# Altium PCB waffling80-ALPS-north.PcbDoc (part 2 of 3)
Units mm, origin at the board's own origin, x right, y up, seen from the top; angles counter-clockwise.
Board outline 343.71 x 124.25 mm, 2 copper layers (Component Side, Bottom Layer), stack 1.171 mm thick; 238 components, 147 nets, 839 pads, 163 vias.
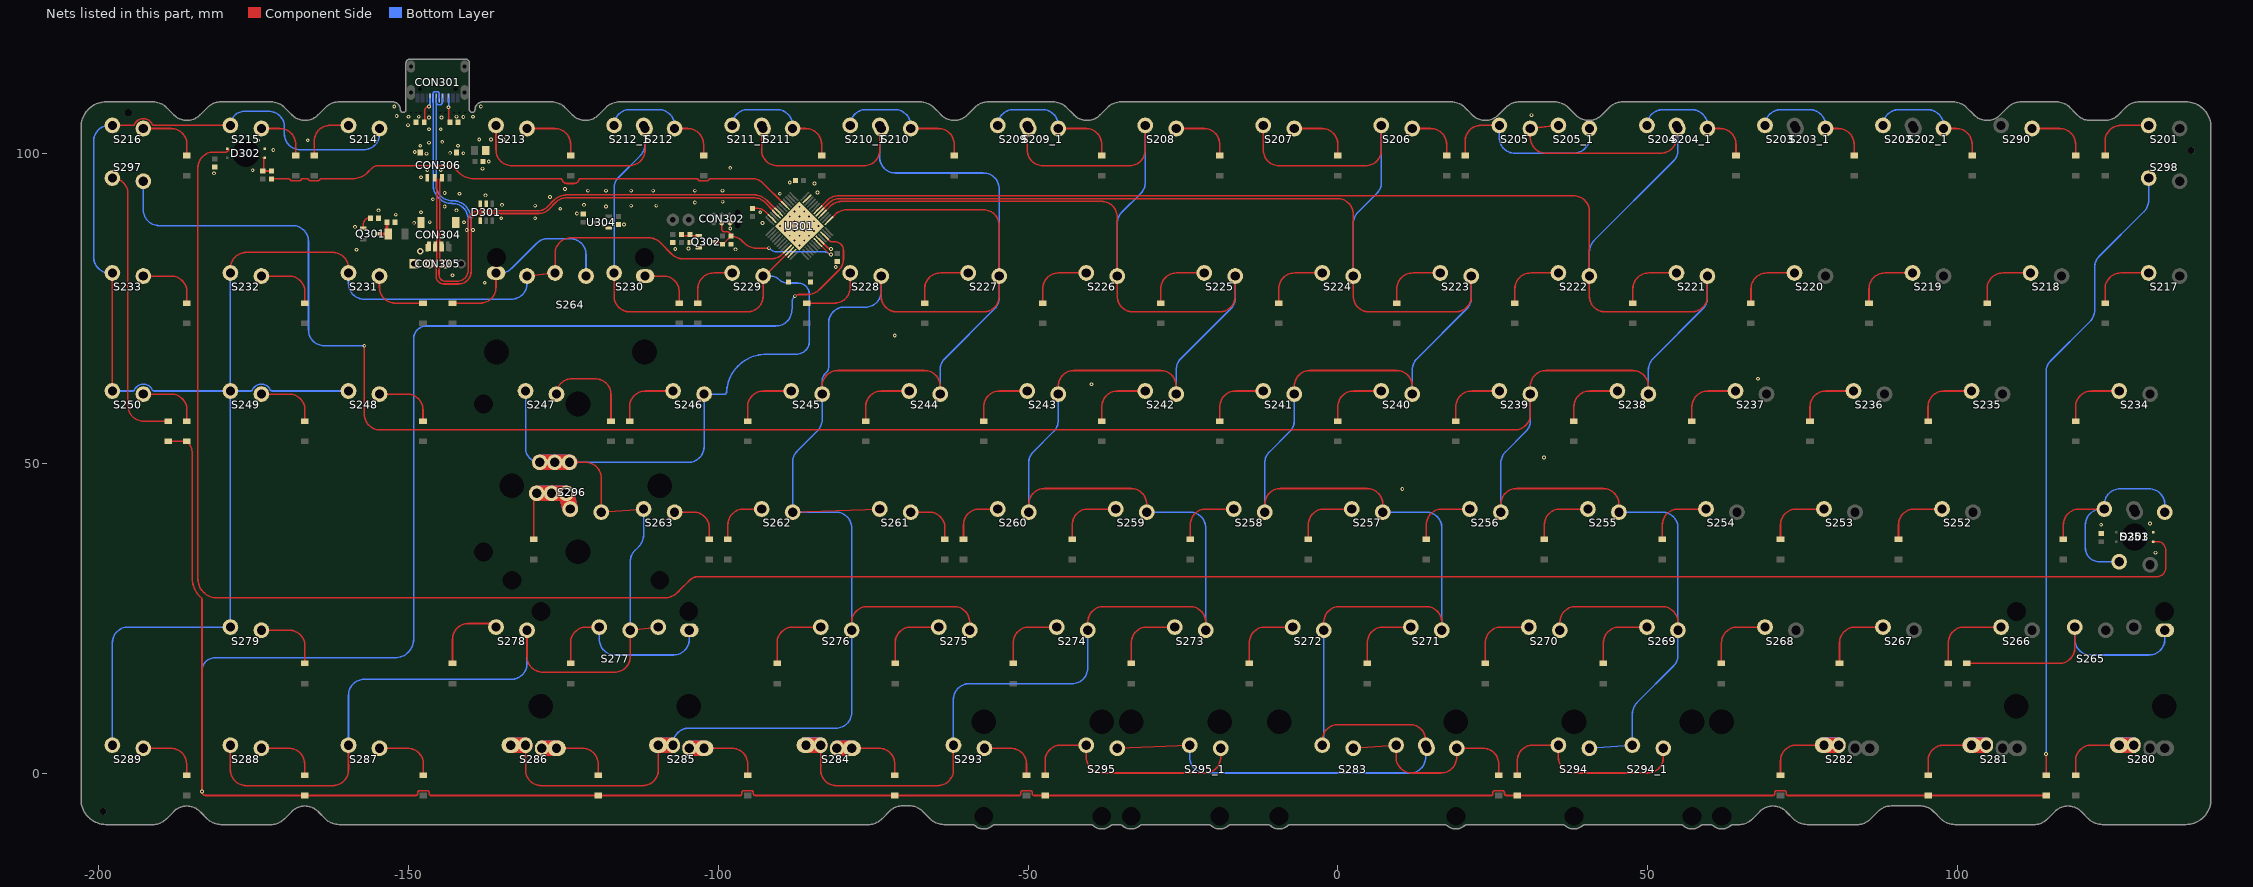
[diagram p2: the nets of this part, all layers, seen from the top]

## Via types
v1: diameter 0.6, hole 0.3, Component Side to Bottom Layer, tented both sides, 136 vias
v2: diameter 0.6, hole 0.3, Component Side to Bottom Layer, tented bottom, 25 vias
v3: diameter 1, hole 0.5, Component Side to Bottom Layer, tented both sides, 2 vias

## Nets (pads, with @x,y where several pads share a name; then routed paths per layer and width w, separated by ;. In a path a pad name is that pad's centre, name@x,y a point inside that pad or via, vN(x,y) a via of type N, cw(c..) or ccw(c..) an arc to the next point about the centre after c; other vN are vias at no path point) (continued)
col3: S204.2 S204_1.2 S205.2 S205_1.2 S221.2 S222.2 S238.2 S239.2 S255.2 S256.2 S269.2 S270.2 S294.1 S294_1.2 S297.2 U301.18 | length 658.9
  Component Side w0.254: v1(-157.099,68.961) -157.099,57.912 ccw(c-154.559,57.912) -154.559,55.372 28.534,55.372 ccw(c28.534,57.912) 31.074,57.912 S239.2@31.074,61.15 ; U301.18@-83.73,91.072 -82.392,92.41 cw(c-80.596,90.614) -80.596,93.154 38.059,93.154 cw(c38.059,90.614) 40.599,90.614 S222.2@40.599,80.2 40.599,76.962 ccw(c43.139,76.962) 43.139,74.422 57.109,74.422 ccw(c57.109,76.962) 59.649,76.962 S221.2@59.649,80.2 ; 26.312,43.37 cw(c28.852,43.37) 28.852,45.91 42.822,45.91 cw(c42.822,43.37) 45.362,43.37 ; 31.074,62.42 cw(c33.614,62.42) 33.614,64.96 47.584,64.96 cw(c47.584,62.42) 50.124,62.42 ; S205_1.2@35.599,104.513 S205.2@31.074,104.012 31.074,102.552 ccw(c33.614,102.552) 33.614,100.012 52.109,100.012 ccw(c52.109,102.552) 54.649,102.552 S204_1.2@54.649,104.513 ; 35.837,24.32 cw(c38.377,24.32) 38.377,26.86 52.347,26.86 cw(c52.347,24.32) 54.887,24.32
  Bottom Layer w0.254: S297.2@-192.762,95.512 -192.763,90.881 ccw(c-190.223,90.881) -190.223,88.341 -168.656,88.341 cw(c-168.656,85.801) -166.116,85.801 -166.116,71.501 ccw(c-163.576,71.501) -163.576,68.961 v1(-157.099,68.961) ; S256.2@26.312,42.1 26.312,50.025 cw(c28.852,50.025) 27.056,51.821 30.331,55.096 ccw(c28.534,56.892) 31.074,56.892 S239.2@31.074,61.15 ; S294.1@40.6,4 S294_1.2@47.538,4.5 47.538,9.566 cw(c50.078,9.566) 48.282,11.362 54.143,17.224 ccw(c52.347,19.02) 54.887,19.02 S269.2@54.887,23.05 54.887,39.56 ccw(c52.347,39.56) 52.347,42.1 S255.2@45.362,42.1 ; S222.2@40.599,80.2 40.599,84.124 cw(c43.139,84.124) 41.343,85.92 54.144,98.721 ccw(c52.348,100.517) 54.888,100.517 S204.2@54.888,104.012 ; S238.2@50.124,61.15 50.124,65.074 cw(c52.664,65.074) 50.868,66.87 58.906,74.908 ccw(c57.109,76.704) 59.649,76.704 S221.2@59.649,80.2
col4: S206.2 S207.2 S223.2 S224.2 S240.2 S241.2 S257.2 S258.2 S271.2 S272.2 S283.2 S295.1 S295_1.2 U301.17 | length 415.6
  Component Side w0.254: U301.17@-83.376,90.719 -82.139,91.956 cw(c-80.343,90.16) -80.343,92.7 -0.041,92.7 cw(c-0.041,90.16) 2.499,90.16 S224.2@2.499,80.2 2.499,76.962 ccw(c5.039,76.962) 5.039,74.422 19.009,74.422 ccw(c19.009,76.962) 21.549,76.962 S223.2@21.549,80.2 ; S295.1@-35.6,4 S295_1.2@-23.9,4.5 ; S207.2@-12.026,104.512 -12.026,100.552 ccw(c-9.486,100.552) -9.486,98.012 4.484,98.012 ccw(c4.484,100.552) 7.024,100.552 S206.2@7.024,104.512 ; -11.788,43.37 cw(c-9.248,43.37) -9.248,45.91 4.722,45.91 cw(c4.722,43.37) 7.262,43.37 ; -7.026,62.42 cw(c-4.486,62.42) -4.486,64.96 9.484,64.96 cw(c9.484,62.42) 12.024,62.42 ; S283.2@-2.5,4.5 -2.5,5.27 cw(c0.04,5.27) 0.04,7.81 11.636,7.81 cw(c11.636,5.27) 14.176,5.27 S283.2@14.176,4.5 ; -2.263,24.32 cw(c0.277,24.32) 0.277,26.86 14.247,26.86 cw(c14.247,24.32) 16.787,24.32
  Bottom Layer w0.254: S295_1.2@-23.9,4.5 -23.9,2.5 ccw(c-21.4,2.5) -21.4,0 11.636,0 ccw(c11.636,2.54) 14.176,2.54 S283.2@14.176,4.5 ; S258.2@-11.788,42.1 -11.788,50.025 cw(c-9.248,50.025) -11.044,51.821 -7.769,55.096 ccw(c-9.566,56.892) -7.026,56.892 S241.2@-7.026,61.15 ; S283.2@-2.5,4.5 ccw(c-2.5,4.737) -2.263,4.737 S272.2@-2.263,23.05 ; S224.2@2.499,80.2 2.499,88.696 cw(c5.039,88.696) 3.243,90.492 6.281,93.53 ccw(c4.484,95.326) 7.024,95.326 S206.2@7.024,104.512 ; S257.2@7.262,42.1 14.247,42.1 cw(c14.247,39.56) 16.787,39.56 S271.2@16.787,23.05 ; S240.2@12.024,61.15 12.024,65.074 cw(c14.564,65.074) 12.768,66.87 20.806,74.908 ccw(c19.009,76.704) 21.549,76.704 S223.2@21.549,80.2
col5: S208.2 S209.2 S209_1.2 S225.2 S226.2 S242.2 S243.2 S259.2 S260.2 S273.2 S274.2 S284.2 S293.2 U301.16 | length 358.6
  Component Side w0.254: S284.2@-83.463,4.5 -83.463,0.508 ccw(c-80.923,0.508) -80.923,-2.032 -64.572,-2.032 ccw(c-64.572,0.508) -62.032,0.508 S293.2@-62.032,4.5 ; U301.16@-83.023,90.365 -81.886,91.502 cw(c-80.09,89.706) -80.09,92.246 -38.141,92.246 cw(c-38.141,89.706) -35.601,89.706 S226.2@-35.601,80.2 -35.601,76.962 ccw(c-33.061,76.962) -33.061,74.422 -19.091,74.422 ccw(c-19.091,76.962) -16.551,76.962 S225.2@-16.551,80.2 ; S209_1.2@-50.126,104.512 -50.126,100.552 ccw(c-47.586,100.552) -47.586,98.012 -33.616,98.012 ccw(c-33.616,100.552) -31.076,100.552 S208.2@-31.076,104.512 ; -49.888,43.37 cw(c-47.348,43.37) -47.348,45.91 -33.378,45.91 cw(c-33.378,43.37) -30.838,43.37 ; -45.126,62.42 cw(c-42.586,62.42) -42.586,64.96 -28.616,64.96 cw(c-28.616,62.42) -26.076,62.42 ; -40.362,24.32 cw(c-37.822,24.32) -37.822,26.86 -23.852,26.86 cw(c-23.852,24.32) -21.312,24.32
  Component Side w2.54: S284.2@-85.844,4.5 S284.2@-83.644,4.5
  Bottom Layer w0.254: S284.2@-85.884,5.08 S284.2@-83.502,5.08 ; S293.2@-62.032,4.5 -62.032,11.875 cw(c-59.492,11.875) -59.492,14.415 -42.902,14.415 ccw(c-42.902,16.955) -40.362,16.955 S274.2@-40.362,23.05 S274.2@-40.362,24.249 ; S260.2@-49.888,42.1 -49.888,50.025 cw(c-47.348,50.025) -49.144,51.821 -45.869,55.096 ccw(c-47.666,56.892) -45.126,56.892 S243.2@-45.126,61.15 ; S226.2@-35.601,80.2 -35.6,88.697 cw(c-33.06,88.697) -34.856,90.493 -31.819,93.53 ccw(c-33.615,95.326) -31.075,95.326 S208.2@-31.076,104.512 ; S259.2@-30.838,42.1 -23.853,42.1 cw(c-23.853,39.56) -21.313,39.56 S273.2@-21.313,23.05 ; S242.2@-26.076,61.15 -26.076,65.074 cw(c-23.536,65.074) -25.332,66.87 -17.294,74.908 ccw(c-19.091,76.704) -16.551,76.704 S225.2@-16.551,80.2
  Bottom Layer w2.54: S284.2@-85.844,4.5 S284.2@-83.644,4.501
col6: S210.2 S210_1.2 S211.2 S211_1.2 S227.2 S228.2 S244.2 S245.2 S261.2 S262.2 S275.2 S276.2 S285.2 S286.2 U301.13 | length 385.8
  Component Side w0.254: S286.2@-131.088,4.5 -131.088,0.508 ccw(c-128.548,0.508) -128.548,-2.032 -112.197,-2.032 ccw(c-112.197,0.508) -109.657,0.508 S285.2@-109.656,4.5 ; S211.2@-92.989,104.511 -92.989,100.551 ccw(c-90.449,100.551) -90.449,98.011 -76.479,98.011 ccw(c-76.479,100.551) -73.939,100.551 S210.2@-73.939,104.511 ; S262.2@-87.988,42.1 S261.2@-73.938,42.6 ; S245.2@-83.226,61.15 -83.226,62.42 cw(c-80.686,62.42) -80.686,64.96 -66.716,64.96 cw(c-66.716,62.42) -64.176,62.42 S244.2@-64.176,61.15 ; U301.13@-81.962,89.305 -81.126,90.14 cw(c-79.33,88.344) -79.33,90.884 -57.191,90.884 cw(c-57.191,88.344) -54.651,88.344 S227.2@-54.651,80.2 -54.651,76.962 cw(c-57.191,76.962) -57.191,74.422 -71.161,74.422 cw(c-71.161,76.962) -73.701,76.962 S228.2@-73.701,80.2 ; -78.463,24.32 cw(c-75.923,24.32) -75.923,26.86 -61.953,26.86 cw(c-61.953,24.32) -59.413,24.32
  Component Side w2.54: S286.2@-133.468,4.499 S286.2@-131.268,4.499 ; S285.2@-109.656,4.5 S285.2@-107.456,4.5
  Bottom Layer w0.254: S286.2@-133.509,5.08 S286.2@-131.127,5.08 ; S285.2@-109.696,5.08 S285.2@-107.315,5.08 ; S285.2@-107.275,4.5 -107.275,4.699 cw(c-104.735,4.699) -104.735,7.239 -81.003,7.239 ccw(c-81.003,9.779) -78.463,9.779 S276.2@-78.463,23.05 -78.463,39.56 ccw(c-81.003,39.56) -81.003,42.1 S262.2@-87.988,42.1 -87.988,50.152 cw(c-85.448,50.152) -87.244,51.948 -83.969,55.223 ccw(c-85.766,57.019) -83.226,57.019 S245.2@-83.226,61.15 -83.226,63.194 cw(c-81.358,63.194) -82.678,64.515 -82.55,64.643 ; -82.55,64.643 ccw(c-83.47,65.563) -82.169,65.563 -82.169,72.644 cw(c-79.629,72.644) -79.629,75.184 -76.241,75.184 ccw(c-76.241,77.724) -73.701,77.724 S228.2@-73.701,80.2 ; S210_1.2@-73.701,104.012 ccw(c-73.701,103.774) -73.939,103.774 -73.939,99.371 ccw(c-71.399,99.371) -71.399,96.831 -57.191,96.831 cw(c-57.191,94.291) -54.651,94.291 S227.2@-54.651,80.2 -54.651,76.704 cw(c-57.191,76.704) -55.394,74.908 -63.432,66.87 ccw(c-61.636,65.074) -64.176,65.074 S244.2@-64.176,61.15 ; S275.2@-59.413,23.05 S275.2@-59.413,23.795
  Bottom Layer w2.54: S286.2@-133.469,4.5 S286.2@-131.269,4.5 ; S285.2@-109.656,4.5 S285.2@-107.457,4.5
col7: S212.2 S212_1.2 S213.2 S229.2 S230.2 S246.2 S247.2 S263.2 S277.1 S278.2 S287.2 S288.2 S296.1 U301.46 | length 338.9
  Component Side w0.254: S288.2@-178.713,4.5 -178.713,0.508 ccw(c-176.173,0.508) -176.173,-2.032 -162.203,-2.032 ccw(c-162.203,0.508) -159.663,0.508 S287.2@-159.663,4.5 ; S213.2@-135.851,104.511 -135.851,100.551 ccw(c-133.311,100.551) -133.311,98.011 -114.341,98.011 ccw(c-114.341,100.551) -111.801,100.551 S212_1.2@-111.801,104.012 ; S278.2@-130.851,23.05 -130.851,18.801 ccw(c-128.311,18.801) -128.311,16.261 -116.722,16.261 ccw(c-116.722,18.801) -114.182,18.801 S277.1@-114.182,23.05 S277.1@-109.657,23.55 ; S296.1@-124.01,50.13 -121.402,50.13 cw(c-121.402,47.59) -118.862,47.59 S296.1@-118.862,42.1 S263.2@-112.038,42.6 ; S230.2@-116.801,80.7 -116.801,76.962 ccw(c-114.261,76.962) -114.261,74.422 -95.291,74.422 ccw(c-95.291,76.962) -92.751,76.962 S229.2@-92.751,80.2 -92.481,80.2 U301.46@-88.644,84.037
  Component Side w2.54: S296.1@-128.773,50.13 S296.1@-126.392,50.13 S296.1@-124.01,50.13
  Bottom Layer w0.254: S287.2@-159.663,4.5 -159.663,12.573 cw(c-157.123,12.573) -157.123,15.113 -133.391,15.113 ccw(c-133.391,17.653) -130.851,17.653 S278.2@-130.851,23.05 ; S247.2@-131.088,61.849 S247.2@-131.088,61.65 -131.088,52.445 ccw(c-128.773,52.445) S296.1@-128.773,50.13 ; S296.1@-124.01,50.13 -104.816,50.13 ccw(c-104.816,52.67) -102.276,52.67 S246.2@-102.276,61.15 -98.915,61.15 -98.814,61.15 -98.741,61.219 ccw(c-98.915,61.404) -98.729,61.231 -98.666,61.299 -98.661,61.392 ccw(c-98.915,61.404) -98.661,61.394 cw(c-92.233,61.15) -92.233,67.583 -87.377,67.583 ccw(c-87.377,69.669) -85.876,68.22 ccw(c-87.377,69.669) -85.29,69.669 -85.29,77.237 ccw(c-87.136,77.237) -87.136,79.083 -88.852,79.083 cw(c-88.852,80.947) -90.17,79.629 ccw(c-91.549,78.25) -91.549,80.2 S229.2@-92.751,80.2 ; S296.1@-119.182,41.78 cw(c-118.862,41.78) S296.1@-118.862,42.1 ; S230.2@-116.801,80.7 -116.801,94.364 cw(c-114.261,94.364) -116.057,96.16 -112.544,99.673 ccw(c-114.341,101.469) -111.801,101.469 S212_1.2@-111.801,104.012 ; S277.1@-114.182,23.05 -114.182,34.118 cw(c-111.642,34.118) -113.438,35.914 -112.782,36.57 ccw(c-114.578,38.366) -112.038,38.366 S263.2@-112.038,42.6
  Bottom Layer w2.54: S296.1@-128.773,50.13 S296.1@-126.392,50.13 S296.1@-124.01,50.13
col8: S214.2 S215.2 S216.2 S231.2 S232.2 S233.2 S248.2 S249.2 S250.2 S264.1 S279.2 S289.2 U301.45 | length 338.9
  Component Side w0.254: S233.2@-198.247,80.7 S233.2@-197.763,80.7 S250.2@-197.763,61.65 ; S216.2@-198.247,104.512 S216.2@-197.763,104.512 -194.452,104.512 ccw(c-194.453,104.766) -194.221,104.662 cw(c-192.762,104.012) -191.303,104.661 ccw(c-191.072,104.766) -191.073,104.512 S215.2@-178.713,104.512 ; S232.2@-178.713,80.7 -178.713,81.471 cw(c-176.173,81.471) -176.173,84.01 -162.203,84.01 cw(c-162.203,81.471) -159.663,81.471 S231.2@-159.663,80.7 ; S214.2@-154.662,104.012 S214.2@-154.662,104.253 ; S264.1@-130.851,80.2 S264.1@-126.326,80.7 -126.326,83.82 cw(c-123.786,83.82) -123.786,86.36 -111.161,86.36 cw(c-111.161,83.82) -110.702,86.318 cw(c-111.161,83.82) -109.365,85.616 -107.478,83.729 ccw(c-105.682,85.525) -105.682,82.985 -91.415,82.985 ccw(c-91.415,85.429) -89.688,83.7 ; -89.687,83.701 U301.45@-88.998,84.39
  Bottom Layer w0.254: S233.2@-198.247,80.7 cw(c-198.247,83.24) -200.787,83.24 -200.787,101.972 cw(c-198.247,101.972) S216.2@-198.247,104.512 ; S289.2@-197.763,4.5 -197.763,21.01 cw(c-195.223,21.01) -195.223,23.55 S279.2@-178.713,23.55 S249.2@-178.713,61.65 ; S250.2@-197.763,61.65 -194.452,61.65 ccw(c-194.453,61.904) -194.221,61.8 cw(c-192.762,61.15) -191.303,61.799 ccw(c-191.072,61.904) -191.073,61.65 S249.2@-178.713,61.65 ; S232.2@-178.713,80.7 S249.2@-178.713,61.65 ; S215.2@-178.713,104.512 cw(c-176.431,104.512) -176.431,106.793 -172.538,106.793 cw(c-172.538,104.253) -169.998,104.253 -169.998,103.124 ccw(c-167.458,103.124) -167.458,100.584 -157.202,100.584 ccw(c-157.202,103.124) -154.662,103.124 S214.2@-154.662,104.012 ; S248.2@-159.663,61.65 -172.023,61.65 cw(c-172.022,61.904) -172.253,61.799 ccw(c-173.712,61.15) -175.171,61.8 cw(c-175.403,61.904) -175.402,61.65 S249.2@-178.713,61.65 ; S231.2@-159.663,80.7 -159.663,78.994 ccw(c-157.123,78.994) -157.123,76.454 -133.391,76.454 ccw(c-133.391,78.994) -130.851,78.994 S264.1@-130.851,80.2
D_N: CON301.A7 CON301.B7 CON304.2 CON305.2 CON306.2 D301.3 U301.32 | length 112.5
  Component Side w0.254: CON306.2@-144.561,96.05 ccw(c-144.561,95.679) -144.932,95.679 -144.932,83.083 ccw(c-144.018,83.083) CON305.2@-144.018,82.169 ccw(c-144.018,81.128) -145.059,81.128 -145.059,80.378 ccw(c-144.056,80.378) -144.056,79.375 -142.083,79.375 ccw(c-142.083,81.123) -140.335,81.123 -140.335,89.027 cw(c-138.608,89.027) -138.608,90.754 -138.4,90.754 ; D301.3@-138.389,91.862 -138.389,90.781 cw(c-138.428,90.781) -138.4,90.754 ; U301.32@-90.412,90.719 -90.424,90.719 -90.854,91.149 -90.872,91.149 -92.141,92.417 ccw(c-94.257,90.3) -94.257,93.294 -124.414,93.294 ccw(c-124.414,90.3) -126.529,92.419 ccw(c-124.414,90.3) -126.531,92.417 -127.635,91.313 cw(c-128.984,92.662) -128.984,90.754 -138.4,90.754
  Bottom Layer w0.254: CON301.A7@-145.007,108.92 -145.03,109.518 -145.03,109.645 ccw(c-145.357,109.645) -145.357,109.972 -145.657,109.972 ccw(c-145.657,109.645) -145.984,109.645 -145.984,109.518 CON301.B7@-146.007,108.92 cw(c-146.058,108.869) -145.985,108.869 -145.985,108.322 -145.985,106.14 -145.985,103.378 -145.985,94.907 ccw(c-142.988,94.907) -145.448,93.195 ccw(c-142.988,94.907) -142.988,91.91 -142.875,91.91 cw(c-142.875,89.37) -140.335,89.37 -140.335,87.884 cw(c-140.589,87.884) v1(-140.589,87.63)
D_P: CON301.A6 CON301.B6 CON304.3 CON305.3 CON306.3 D301.4 U301.33 | length 113.3
  Component Side w0.254: CON306.3@-145.761,96.05 cw(c-145.761,95.679) -145.39,95.679 -145.39,83.337 cw(c-146.558,83.337) CON305.3@-146.558,82.169 cw(c-146.558,81.128) -145.517,81.128 -145.517,80.189 ccw(c-144.245,80.189) -144.245,78.918 -141.893,78.918 ccw(c-141.893,80.933) -139.878,80.933 -139.878,89.027 cw(c-138.608,89.027) -138.608,90.297 -138.347,90.297 ; D301.4@-138.389,89.112 -138.389,90.195 cw(c-138.244,90.195) -138.347,90.297 ; U301.33@-90.766,90.365 -90.765,90.378 -91.195,90.807 -91.195,90.825 -92.463,92.093 ccw(c-94.259,90.297) -94.259,92.837 -124.412,92.837 ccw(c-124.412,90.297) -126.208,92.093 -127.314,90.987 cw(c-128.981,92.654) -128.981,90.297 -138.347,90.297
  Bottom Layer w0.254: CON301.B6@-144.507,108.92 -144.53,108.92 -144.53,108.195 cw(c-144.857,108.195) -144.857,107.868 -145.157,107.868 cw(c-145.157,108.195) -145.484,108.195 -145.484,108.322 CON301.A6@-145.507,108.92 ccw(c-145.455,108.869) -145.528,108.869 -145.528,94.907 ccw(c-142.988,94.907) -145.017,93.379 ccw(c-142.988,94.907) -142.988,92.367 -142.875,92.367 cw(c-142.875,89.37) -139.878,89.37 -139.878,87.935 ccw(c-139.573,87.935) v1(-139.573,87.63)
GND: C301.1 C302.1 C303.1 C304.1 C305.1 C306.1 C307.1 C308.1 C310.2 C311.1 C312.1 C313.1 CON302.5 CON304.4 CON304.5 CON305.4 CON306.4 CON306.5 D301.2 D302.3 D303.3 L301.1 Q302.2 R301.2 R302.2 R304.2 R305.2 R307.2 U301.8 U301.23 U301.35 U301.47 U304.1 | length 22.1
  Component Side w0.254: C305.1@-94.461,91.137 -93.761,91.137 cw(c-93.761,89.183) -92.38,90.565 U301.35@-91.473,89.658 ; U301.8@-83.376,85.805 -82.412,84.841 ; -82.412,84.84 ccw(c-81.788,85.465) -82.123,84.648 ccw(c-81.788,85.465) v1(-81.788,84.582)
  Bottom Layer w0.254: v2@-86.894,85.15 v2(-89.228,87.484) ; v2@-86.894,91.373 v2(-90.005,88.262) v2(-89.228,87.484) ; v2(-83.783,88.262) v2(-86.116,90.595) v2(-89.228,87.484)
  other v1: 131.953,35.56 123.19,40.06 131.064,40.259 10.414,45.847 33.274,50.927 -39.751,62.738 67.818,63.627 -71.501,70.612 -137.668,79.121 -142.876,80.337 -81.026,81.661 -158.369,84.455 -97.194,84.511 -106.934,84.582 -104.776,84.63 -102.235,85.344 -146.05,86.614 -144.272,86.614 -98.044,87.884 -158.623,88.138 -118.491,88.392 -115.189,88.519 -92.837,88.773 -149.067,88.781 -146.558,88.9 -141.008,88.883 -135.001,89.535 -129.54,89.535 -152.03,90.106 -122.809,90.297 -147.967,90.487 -93.208,90.487 -154.813,90.805 -142.24,90.805 -125.476,91.059 -144.145,91.44 -118.11,91.44 -129.54,91.567 -114.046,91.567 -109.982,91.568 -134.874,91.694 -121.666,91.694 -103.759,92.075 -99.275,92.203 -146.05,92.583 -127.127,92.964 -137.541,93.218 -141.732,93.472 -90.043,93.472 -144.145,93.599 -83.978,93.685 -121.031,93.979 -118.11,93.979 -114.046,93.98 -110.49,93.98 -103.759,93.98 -99.314,93.98 -124.714,94.234 -84.455,95.123 -88.451,95.285 -147.955,96.139 -181.356,96.774 -175.133,97.282 -146.939,97.282 -144.78,97.282 -138.049,97.536 -98.044,97.663 -137.033,98.679 -147.066,99.949 -141.128,100.013 -143.256,100.076 -148.971,100.203 -171.789,100.554 -148.082,101.219 -141.986,101.219 -146.685,101.727 -144.526,101.854 -174.244,102.108 -166.243,102.108 -138.557,102.235 -136.652,102.235 -134.62,102.235 -146.685,103.886 -144.78,103.886 -150.047,104.551 -146.685,105.791 -144.653,105.791 -141.128,105.875 -149.987,105.918 -148.333,105.921 -142.237,105.921 -139.573,105.918 -151.892,106.045 31.242,106.172 -152.273,107.569 -138.303,107.569
  other v2: -86.894,85.15 -87.672,85.928 -86.116,85.928 -88.45,86.706 -86.894,86.706 -85.338,86.706 -87.672,87.484 -86.116,87.484 -84.561,87.484 -88.45,88.262 -86.894,88.262 -85.338,88.262 -89.228,89.04 -87.672,89.04 -86.116,89.04 -84.561,89.04 -88.45,89.817 -86.894,89.817 -85.338,89.817 -87.672,90.595 -86.894,91.373
  other v3: -148.082,84.201
LED: R308.2 U301.29 | length 87.1
  Component Side w0.254: R308.2@-172.085,95.87 -169.291,95.87 cw(c-169.292,95.616) -169.076,95.75 ccw(c-168.798,95.922) -168.798,95.595 -167.578,95.595 ccw(c-167.578,95.922) -167.283,95.78 cw(c-167.055,95.669) -167.056,95.923 -166.32,95.923 cw(c-166.321,95.669) -166.093,95.78 ccw(c-165.798,95.922) -165.798,95.595 -164.578,95.595 ccw(c-164.578,95.922) -164.283,95.78 cw(c-164.055,95.669) -164.056,95.923 -158.983,95.923 ccw(c-158.983,99.371) -156.544,96.934 -155.933,97.545 ; -155.933,97.545 cw(c-154.777,96.393) -154.777,98.025 -143.673,98.025 cw(c-143.673,96.393) -142.514,97.542 -141.907,96.935 ccw(c-139.467,99.371) -139.467,95.923 -125.438,95.923 cw(c-125.439,95.669) -125.193,95.732 ccw(c-124.436,95.922) -124.436,95.141 -123.215,95.141 ccw(c-123.215,95.922) -122.458,95.732 cw(c-122.212,95.669) -122.213,95.923 -103.494,95.923 cw(c-103.495,95.669) -103.267,95.78 ccw(c-102.972,95.922) -102.972,95.595 -101.752,95.595 ccw(c-101.752,95.922) -101.457,95.78 cw(c-101.229,95.669) -101.23,95.923 -94.547,95.923 cw(c-94.547,93.383) -92.751,95.179 U301.29@-89.351,91.78
NetC306_2: C306.2 F301.1 Q301.3 | length 3.7
  Component Side w0.5: Q301.3@-154.883,86.995 F301.1@-153.242,86.995 cw(c-153.242,87.184) -153.431,87.184 C306.2@-153.431,88.9
NetC309_2: C309.2 Q302.1 R305.1 | length 2.9
  Component Side w0.254: C309.2@-105.918,86.883 -105.71,86.675 Q302.1@-103.145,86.675
NetCON301_A5: CON301.A5 R301.1 | length 4.5
  Component Side w0.254: R301.1@-147.511,104.922 ccw(c-147.914,105.325) -147.494,104.94 ccw(c-147.914,105.325) -147.345,105.325 -147.345,106.909 cw(c-146.685,106.909) v1(-146.685,107.569)
  Bottom Layer w0.254: v1(-146.685,107.569) -146.685,107.663 -146.507,107.841 CON301.A5@-146.507,108.92
NetCON301_B5: CON301.B5 R302.1 | length 4.1
  Component Side w0.254: R302.1@-143.526,104.853 -143.51,104.868 v1(-143.51,107.442)
  Bottom Layer w0.254: v1(-143.51,107.442) -143.507,107.445 CON301.B5@-143.507,108.92
NetD201_1: D201.1 S201.1 | length 10.8
  Component Side w0.254: D201.1@123.824,99.647 123.824,101.972 cw(c126.364,101.972) 126.364,104.512 S201.1@130.849,104.512
NetD202_1: D202.1 S202.1 S202_1.1 | length 21
  Component Side w0.254: S202_1.1@97.749,104.012 99.822,104.012 cw(c99.822,101.472) 102.362,101.472 D202.1@102.362,99.647
  Bottom Layer w0.254: S202.1@87.988,104.511 cw(c90.528,104.511) 90.528,107.051 95.21,107.051 cw(c95.21,104.511) 97.75,104.511 S202_1.1@97.749,104.012
NetD203_1: D203.1 S203.1 S203_1.1 | length 21
  Component Side w0.254: S203_1.1@78.699,104.012 80.772,104.012 cw(c80.772,101.472) 83.312,101.472 D203.1@83.312,99.647
  Bottom Layer w0.254: S203.1@68.938,104.511 cw(c71.478,104.511) 71.478,107.051 76.16,107.051 cw(c76.16,104.511) 78.7,104.511 S203_1.1@78.699,104.012
NetD204_1: D204.1 S204.1 S204_1.1 | length 21
  Component Side w0.254: S204_1.1@59.649,104.012 61.722,104.012 cw(c61.722,101.472) 64.262,101.472 D204.1@64.262,99.647
  Bottom Layer w0.254: S204.1@49.887,104.512 cw(c52.427,104.512) 52.427,107.052 57.109,107.052 cw(c57.109,104.512) 59.649,104.512 S204_1.1@59.649,104.012
NetD205_1: D205.1 S205.1 S205_1.1 | length 30.2
  Component Side w0.254: D205.1@20.549,99.647 20.549,101.972 cw(c23.089,101.972) 23.089,104.512 S205.1@26.074,104.512
  Bottom Layer w0.254: S205.1@26.074,104.512 26.074,102.513 ccw(c28.574,102.513) 28.574,100.012 38.059,100.012 ccw(c38.059,102.552) 40.599,102.552 S205_1.1@40.599,104.012
NetD206_1: D206.1 S206.1 | length 8.8
  Component Side w0.254: S206.1@12.024,104.012 15.009,104.012 cw(c15.009,101.472) 17.549,101.472 D206.1@17.549,99.647
NetD207_1: D207.1 S207.1 | length 10.3
  Component Side w0.254: S207.1@-7.026,104.012 -2.541,104.012 cw(c-2.541,101.472) -0.001,101.472 D207.1@-0.001,99.647
NetD208_1: D208.1 S208.1 | length 10.3
  Component Side w0.254: S208.1@-26.076,104.012 -21.591,104.012 cw(c-21.591,101.472) -19.051,101.472 D208.1@-19.051,99.647
NetD209_1: D209.1 S209.1 S209_1.1 | length 23
  Component Side w0.254: S209_1.1@-45.126,104.012 -40.641,104.012 cw(c-40.641,101.472) -38.101,101.472 D209.1@-38.101,99.647
  Bottom Layer w0.254: S209.1@-54.889,104.52 cw(c-52.349,104.52) -52.349,107.06 -47.667,107.06 cw(c-47.667,104.52) S209_1.1@-45.127,104.52
NetD210_1: D210.1 S210.1 S210_1.1 | length 23
  Component Side w0.254: S210.1@-68.939,104.012 -64.454,104.012 cw(c-64.454,101.472) -61.914,101.472 D210.1@-61.914,99.647
  Bottom Layer w0.254: S210_1.1@-78.701,104.521 cw(c-76.161,104.521) -76.161,107.061 -71.479,107.061 cw(c-71.479,104.521) S210.1@-68.939,104.521
NetD211_1: D211.1 S211.1 S211_1.1 | length 20.6
  Component Side w0.254: S211.1@-87.989,104.012 -85.852,104.012 cw(c-85.852,101.472) -83.312,101.472 D211.1@-83.312,99.647
  Bottom Layer w0.254: S211_1.1@-97.751,104.521 cw(c-95.211,104.521) -95.211,107.061 -90.529,107.061 cw(c-90.529,104.521) S211.1@-87.989,104.521
NetD212_1: D212.1 S212.1 S212_1.1 | length 21.1
  Component Side w0.254: S212_1.1@-116.801,104.513 S212_1.1@-116.801,104.521 ; S212.1@-107.039,104.521 S212.1@-107.039,104.012 -104.902,104.012 cw(c-104.902,101.472) -102.362,101.472 D212.1@-102.362,99.647
  Bottom Layer w0.254: S212_1.1@-116.801,104.521 cw(c-114.261,104.521) -114.261,107.061 -109.579,107.061 cw(c-109.579,104.521) S212.1@-107.039,104.521
NetD213_1: D213.1 S213.1 | length 9.9
  Component Side w0.254: S213.1@-130.851,104.012 -126.36,104.012 cw(c-126.36,101.472) -123.82,101.472 D213.1@-123.82,100.012
NetD214_1: D214.1 S214.1 | length 9.3
  Component Side w0.254: D214.1@-165.188,99.647 -165.188,101.972 cw(c-162.648,101.972) -162.648,104.512 S214.1@-159.663,104.512
NetD215_1: D215.1 S215.1 | length 8.8
  Component Side w0.254: S215.1@-173.712,104.012 -170.728,104.012 cw(c-170.728,101.472) -168.188,101.472 D215.1@-168.188,99.647
NetD216_1: D216.1 S216.1 | length 10.7
  Component Side w0.254: S216.1@-192.762,104.012 -188.277,104.012 cw(c-188.277,101.472) -185.737,101.472 D216.1@-185.737,99.647 ; D216.1@-185.796,99.648 D216.1@-185.796,100.012
NetD217_1: D217.1 S217.1 | length 10.8
  Component Side w0.254: D217.1@123.824,75.835 123.824,78.16 cw(c126.364,78.16) 126.364,80.7 S217.1@130.849,80.7
NetD218_1: D218.1 S218.1 | length 10.8
  Component Side w0.254: D218.1@104.774,75.835 104.774,78.16 cw(c107.314,78.16) 107.314,80.7 S218.1@111.799,80.7
NetD219_1: D219.1 S219.1 | length 10.8
  Component Side w0.254: D219.1@85.724,75.835 85.724,78.16 cw(c88.264,78.16) 88.264,80.7 S219.1@92.749,80.7
NetD220_1: D220.1 S220.1 | length 10.8
  Component Side w0.254: D220.1@66.674,75.835 66.674,78.16 cw(c69.214,78.16) 69.214,80.7 S220.1@73.699,80.7
NetD221_1: D221.1 S221.1 | length 10.8
  Component Side w0.254: D221.1@47.624,75.835 47.624,78.16 cw(c50.164,78.16) 50.164,80.7 S221.1@54.649,80.7
NetD222_1: D222.1 S222.1 | length 10.8
  Component Side w0.254: D222.1@28.574,75.835 28.574,78.16 cw(c31.114,78.16) 31.114,80.7 S222.1@35.599,80.7
NetD223_1: D223.1 S223.1 | length 10.8
  Component Side w0.254: D223.1@9.524,75.835 9.524,78.16 cw(c12.064,78.16) 12.064,80.7 S223.1@16.549,80.7
NetD224_1: D224.1 S224.1 | length 10.8
  Component Side w0.254: D224.1@-9.526,75.835 -9.526,78.16 cw(c-6.986,78.16) -6.986,80.7 S224.1@-2.501,80.7
NetD225_1: D225.1 S225.1 | length 10.8
  Component Side w0.254: D225.1@-28.576,75.835 -28.576,78.16 cw(c-26.036,78.16) -26.036,80.7 S225.1@-21.551,80.7
NetD226_1: D226.1 S226.1 | length 10.8
  Component Side w0.254: D226.1@-47.626,75.835 -47.626,78.16 cw(c-45.086,78.16) -45.086,80.7 S226.1@-40.601,80.7
NetD227_1: D227.1 S227.1 | length 10.8
  Component Side w0.254: D227.1@-66.676,75.835 -66.676,78.16 cw(c-64.136,78.16) -64.136,80.7 S227.1@-59.651,80.7
NetD228_1: D228.1 S228.1 | length 10.8
  Component Side w0.254: D228.1@-85.726,75.835 -81.241,75.835 ccw(c-81.241,78.375) -78.701,78.375 S228.1@-78.701,80.7
NetD229_1: D229.1 S229.1 | length 9.3
  Component Side w0.254: D229.1@-103.276,75.835 -103.276,78.16 cw(c-100.736,78.16) -100.736,80.7 S229.1@-97.751,80.7
NetD230_1: D230.1 S230.1 | length 8.8
  Component Side w0.254: S230.1@-111.801,80.2 -108.815,80.2 cw(c-108.815,77.66) -106.275,77.66 D230.1@-106.275,75.835
NetD231_1: D231.1 S231.1 | length 10.3
  Component Side w0.254: S231.1@-154.662,80.2 -154.662,78.375 ccw(c-152.122,78.375) -152.122,75.835 D231.1@-147.637,75.835
NetD232_1: D232.1 S232.1 | length 10.3
  Component Side w0.254: S232.1@-173.712,80.2 -169.227,80.2 cw(c-169.227,77.66) -166.688,77.66 D232.1@-166.688,75.835
NetD233_1: D233.1 S233.1 | length 11.3
  Component Side w0.254: S233.1@-192.762,80.2 -188.277,80.2 cw(c-188.277,77.66) -185.737,77.66 D233.1@-185.737,75.835 ; D233.1@-185.796,75.835 -185.796,76.85
NetD234_1: D234.1 S234.1 | length 10.8
  Component Side w0.254: D234.1@119.062,56.785 119.062,59.11 cw(c121.602,59.11) 121.602,61.65 S234.1@126.087,61.65
NetD235_1: D235.1 S235.1 | length 10.8
  Component Side w0.254: D235.1@95.249,56.785 95.249,59.11 cw(c97.789,59.11) 97.789,61.65 S235.1@102.274,61.65
NetD236_1: D236.1 S236.1 | length 10.8
  Component Side w0.254: D236.1@76.199,56.785 76.199,59.11 cw(c78.739,59.11) 78.739,61.65 S236.1@83.224,61.65
NetD237_1: D237.1 S237.1 | length 10.8
  Component Side w0.254: D237.1@57.149,56.785 57.149,59.11 cw(c59.689,59.11) 59.689,61.65 S237.1@64.174,61.65
NetD238_1: D238.1 S238.1 | length 10.8
  Component Side w0.254: D238.1@38.099,56.785 38.099,59.11 cw(c40.639,59.11) 40.639,61.65 S238.1@45.124,61.65
NetD239_1: D239.1 S239.1 | length 10.8
  Component Side w0.254: D239.1@19.049,56.785 19.049,59.11 cw(c21.589,59.11) 21.589,61.65 S239.1@26.074,61.65
NetD240_1: D240.1 S240.1 | length 10.8
  Component Side w0.254: D240.1@-0.001,56.785 -0.001,59.11 cw(c2.539,59.11) 2.539,61.65 S240.1@7.024,61.65
NetD241_1: D241.1 S241.1 | length 10.8
  Component Side w0.254: D241.1@-19.051,56.785 -19.051,59.11 cw(c-16.511,59.11) -16.511,61.65 S241.1@-12.026,61.65
NetD242_1: D242.1 S242.1 | length 10.8
  Component Side w0.254: D242.1@-38.101,56.785 -38.101,59.11 cw(c-35.561,59.11) -35.561,61.65 S242.1@-31.076,61.65
NetD243_1: D243.1 S243.1 | length 10.8
  Component Side w0.254: D243.1@-57.151,56.785 -57.151,59.11 cw(c-54.611,59.11) -54.611,61.65 S243.1@-50.126,61.65
NetD244_1: D244.1 S244.1 | length 10.8
  Component Side w0.254: D244.1@-76.201,56.785 -76.201,59.11 cw(c-73.661,59.11) -73.661,61.65 S244.1@-69.176,61.65
NetD245_1: D245.1 S245.1 | length 10.8
  Component Side w0.254: D245.1@-95.251,56.785 -95.251,59.11 cw(c-92.711,59.11) -92.711,61.65 S245.1@-88.226,61.65
NetD246_1: D246.1 S246.1 | length 10.8
  Component Side w0.254: D246.1@-114.301,56.785 -114.301,59.11 cw(c-111.761,59.11) -111.761,61.65 S246.1@-107.276,61.65
NetD247_1: D247.1 S247.1 | length 16
  Component Side w0.254: S247.1@-126.088,61.15 cw(c-123.611,61.15) -123.611,63.627 -119.84,63.627 cw(c-119.84,61.087) -117.3,61.087 D247.1@-117.3,56.785
NetD248_1: D248.1 S248.1 | length 10.3
  Component Side w0.254: S248.1@-154.662,61.15 -150.177,61.15 cw(c-150.177,58.61) -147.637,58.61 D248.1@-147.637,56.785
NetD249_1: D249.1 S249.1 | length 10.3
  Component Side w0.254: S249.1@-173.712,61.15 -169.227,61.15 cw(c-169.227,58.61) -166.688,58.61 D249.1@-166.688,56.785
NetD250_1: D250.1 S250.1 | length 10.7
  Component Side w0.254: S250.1@-192.762,61.15 -188.277,61.15 cw(c-188.277,58.61) -185.737,58.61 D250.1@-185.737,56.785 ; D250.1@-185.796,56.785 D250.1@-185.796,57.15
NetD251_1: D251.1 S251.1 | length 39.9
  Component Side w0.254: D251.1@117.099,37.735 117.099,40.06 cw(c119.639,40.06) 119.639,42.6 S251.1@123.706,42.6
  Bottom Layer w0.254: S251.1@126.087,34.1 122.872,34.1 cw(c122.872,36.322) 120.65,36.322 120.65,40.06 cw(c123.19,40.06) 123.19,42.6 S251.1@123.706,42.6 123.706,43.319 cw(c126.246,43.319) 126.246,45.859 130.928,45.859 cw(c130.928,43.319) 133.468,43.319 S251.1@133.468,42.1
NetD252_1: D252.1 S252.1 | length 10.8
  Component Side w0.254: D252.1@90.487,37.735 90.487,40.06 cw(c93.027,40.06) 93.027,42.6 S252.1@97.512,42.6
NetD253_1: D253.1 S253.1 | length 10.8
  Component Side w0.254: D253.1@71.437,37.735 71.437,40.06 cw(c73.977,40.06) 73.977,42.6 S253.1@78.462,42.6
NetD254_1: D254.1 S254.1 | length 10.8
  Component Side w0.254: D254.1@52.387,37.735 52.387,40.06 cw(c54.927,40.06) 54.927,42.6 S254.1@59.412,42.6
NetD255_1: D255.1 S255.1 | length 10.8
  Component Side w0.254: D255.1@33.337,37.735 33.337,40.06 cw(c35.877,40.06) 35.877,42.6 S255.1@40.362,42.6
NetD256_1: D256.1 S256.1 | length 11.6
  Component Side w0.254: D256.1@14.287,37.735 14.287,40.06 cw(c16.827,40.06) 16.827,42.6 S256.1@21.312,42.6
  Bottom Layer w0.254: S256.1@20.706,42.614 S256.1@21.272,43.18
NetD257_1: D257.1 S257.1 | length 10.8
  Component Side w0.254: D257.1@-4.763,37.735 -4.763,40.06 cw(c-2.223,40.06) -2.223,42.6 S257.1@2.262,42.6
NetD258_1: D258.1 S258.1 | length 10.8
  Component Side w0.254: D258.1@-23.813,37.735 -23.813,40.06 cw(c-21.273,40.06) -21.273,42.6 S258.1@-16.788,42.6
NetD259_1: D259.1 S259.1 | length 10.8
  Component Side w0.254: D259.1@-42.863,37.735 -42.863,40.06 cw(c-40.323,40.06) -40.323,42.6 S259.1@-35.838,42.6
NetD260_1: D260.1 S260.1 | length 9.3
  Component Side w0.254: D260.1@-60.413,37.735 -60.413,40.06 cw(c-57.873,40.06) -57.873,42.6 S260.1@-54.888,42.6
NetD261_1: D261.1 S261.1 | length 8.8
  Component Side w0.254: S261.1@-68.938,42.1 -65.953,42.1 cw(c-65.953,39.56) -63.413,39.56 D261.1@-63.413,37.735
NetD262_1: D262.1 S262.1 | length 9.2
  Component Side w0.254: D262.1@-98.431,37.735 -98.431,40.06 cw(c-95.891,40.06) -95.891,42.6 S262.1@-92.988,42.6
NetD263_1: D263.1 S263.1 | length 8.9
  Component Side w0.254: S263.1@-107.038,42.1 -103.971,42.1 cw(c-103.971,39.56) -101.431,39.56 D263.1@-101.431,37.735
NetD264_1: D264.1 S264.2 | length 32.3
  Component Side w0.254: D264.1@-142.876,75.835 -138.391,75.835 ccw(c-138.391,78.375) -135.851,78.375 S264.2@-135.851,80.7
  Bottom Layer w0.254: S264.2@-135.851,80.7 -135.109,80.7 ccw(c-135.109,83.24) -133.313,81.444 -129.268,85.489 cw(c-127.472,83.693) -127.472,86.233 -123.866,86.233 cw(c-123.866,83.693) -121.326,83.693 S264.2@-121.326,80.2
NetD265_1: D265.1 S265.1 | length 43.1
  Component Side w0.254: D265.1@101.514,17.685 116.403,17.685 ccw(c116.403,20.225) 118.943,20.225 S265.1@118.943,23.55
  Bottom Layer w0.254: S265.1@118.943,23.55 118.943,21.55 ccw(c121.443,21.55) 121.443,19.05 130.928,19.05 ccw(c130.928,21.59) 133.468,21.59 S265.1@133.468,23.05
NetD266_1: D266.1 S266.1 | length 13.3
  Component Side w0.254: D266.1@98.514,17.685 98.514,21.01 cw(c101.054,21.01) 101.054,23.55 S266.1@107.039,23.55
NetD267_1: D267.1 S267.1 | length 11.8
  Component Side w0.254: D267.1@80.962,17.685 80.962,21.01 cw(c83.502,21.01) 83.502,23.55 S267.1@87.987,23.55
NetD268_1: D268.1 S268.1 | length 11.8
  Component Side w0.254: D268.1@61.912,17.685 61.912,21.01 cw(c64.452,21.01) 64.452,23.55 S268.1@68.937,23.55
NetD269_1: D269.1 S269.1 | length 11.8
  Component Side w0.254: D269.1@42.862,17.685 42.862,21.01 cw(c45.402,21.01) 45.402,23.55 S269.1@49.887,23.55
NetD270_1: D270.1 S270.1 | length 11.8
  Component Side w0.254: D270.1@23.812,17.685 23.812,21.01 cw(c26.352,21.01) 26.352,23.55 S270.1@30.837,23.55
NetD271_1: D271.1 S271.1 | length 11.8
  Component Side w0.254: D271.1@4.762,17.685 4.762,21.01 cw(c7.302,21.01) 7.302,23.55 S271.1@11.787,23.55
NetD272_1: D272.1 S272.1 | length 11.8
  Component Side w0.254: D272.1@-14.288,17.685 -14.288,21.01 cw(c-11.748,21.01) -11.748,23.55 S272.1@-7.263,23.55
NetD273_1: D273.1 S273.1 | length 11.8
  Component Side w0.254: D273.1@-33.338,17.685 -33.338,21.01 cw(c-30.798,21.01) -30.798,23.55 S273.1@-26.313,23.55
NetD274_1: D274.1 S274.1 | length 11.8
  Component Side w0.254: D274.1@-52.388,17.685 -52.388,21.01 cw(c-49.848,21.01) -49.848,23.55 S274.1@-45.363,23.55
NetD275_1: D275.1 S275.1 | length 11.8
  Component Side w0.254: D275.1@-71.438,17.685 -71.438,21.01 cw(c-68.898,21.01) -68.898,23.55 S275.1@-64.413,23.55
NetD276_1: D276.1 S276.1 | length 11.8
  Component Side w0.254: D276.1@-90.488,17.685 -90.488,21.01 cw(c-87.948,21.01) -87.948,23.55 S276.1@-83.463,23.55
NetD277_1: D277.1 S277.2 | length 30.3
  Component Side w0.254: D277.1@-123.826,17.685 -123.826,21.01 cw(c-121.286,21.01) -121.286,23.55 S277.2@-119.182,23.55
  Bottom Layer w0.254: S277.2@-119.182,23.55 -119.182,21.59 ccw(c-116.642,21.59) -116.642,19.05 -107.197,19.05 ccw(c-107.197,21.59) -104.657,21.59 S277.2@-104.657,23.05
NetD278_1: D278.1 S278.1 | length 12.3
  Component Side w0.254: D278.1@-142.876,17.685 -142.876,21.59 cw(c-140.336,21.59) -140.336,24.13 S278.1@-135.891,24.13
NetD279_1: D279.1 S279.1 | length 11.3
  Component Side w0.254: S279.1@-173.712,23.05 -169.227,23.05 cw(c-169.227,20.51) -166.688,20.51 D279.1@-166.688,17.685
NetD280_1: D280.1 S280.2 | length 15.2
  Component Side w0.254: D280.1@119.062,-0.365 119.062,1.96 cw(c121.602,1.96) 121.602,4.5 S280.2@126.087,4.5
  Component Side w2.54: S280.2@126.087,4.5 S280.2@128.287,4.5
  Bottom Layer w2.54: S280.2@126.087,4.5 S280.2@128.287,4.501
NetD281_1: D281.1 S281.2 | length 15.2
  Component Side w0.254: D281.1@95.25,-0.365 95.25,1.96 cw(c97.79,1.96) 97.79,4.5 S281.2@102.275,4.5
  Component Side w2.54: S281.2@102.275,4.5 S281.2@104.475,4.5
  Bottom Layer w2.54: S281.2@102.275,4.5 S281.2@104.474,4.501
NetD282_1: D282.1 S282.2 | length 15.2
  Component Side w0.254: D282.1@71.437,-0.365 71.437,1.96 cw(c73.977,1.96) 73.977,4.5 S282.2@78.462,4.5
  Component Side w2.54: S282.2@78.462,4.5 S282.2@80.662,4.5
  Bottom Layer w2.54: S282.2@78.462,4.5 S282.2@80.662,4.501
NetD283_1: D283.1 S283.1 | length 33.1
  Component Side w0.254: S283.1@2.5,4 S283.1@9.406,4.5 9.406,2.532 ccw(c11.938,2.532) 11.938,0 16.636,0 ccw(c16.636,2.54) 19.176,2.54 S283.1@19.176,4 23.416,4 cw(c23.416,1.46) 25.956,1.46 D283.1@25.956,-0.365
NetD284_1: D284.1 S284.1 | length 14.6
  Component Side w0.254: S284.1@-78.462,4 -74.036,4 cw(c-74.036,1.46) -71.496,1.46 D284.1@-71.496,-0.365
  Component Side w2.54: S284.1@-80.663,4.001 S284.1@-78.462,4
  Bottom Layer w2.54: S284.1@-80.664,4.001 S284.1@-78.462,4
NetD285_1: D285.1 S285.1 | length 14.7
  Component Side w0.254: S285.1@-102.275,4 -97.785,4 cw(c-97.785,1.46) -95.245,1.46 D285.1@-95.245,-0.365
  Component Side w2.54: S285.1@-104.475,4 S285.1@-102.275,4
  Bottom Layer w2.54: S285.1@-104.476,4.001 S285.1@-102.275,4
NetD286_1: D286.1 S286.1 | length 14.4
  Component Side w0.254: S286.1@-126.087,4 -121.915,4 cw(c-121.915,1.46) -119.375,1.46 D286.1@-119.375,-0.365
  Component Side w2.54: S286.1@-128.287,4 S286.1@-126.087,4
  Bottom Layer w2.54: S286.1@-128.288,4 S286.1@-126.087,4
NetD287_1: D287.1 S287.1 | length 10.4
  Component Side w0.254: S287.1@-154.662,4 -150.109,4 cw(c-150.109,1.46) -147.569,1.46 D287.1@-147.569,-0.365
NetD288_1: D288.1 S288.1 | length 10.2
  Component Side w0.254: S288.1@-173.712,4 -169.286,4 cw(c-169.286,1.46) -166.746,1.46 D288.1@-166.746,-0.365
NetD289_1: D289.1 S289.1 | length 10.2
  Component Side w0.254: S289.1@-192.762,4 -188.336,4 cw(c-188.336,1.46) -185.796,1.46 D289.1@-185.796,-0.365
NetD290_1: D290.1 S290.1 | length 10.3
  Component Side w0.254: S290.1@112.038,104.012 116.522,104.012 cw(c116.522,101.472) 119.062,101.472 D290.1@119.062,99.647
NetD293_1: D293.1 S293.1 | length 10.1
  Component Side w0.254: S293.1@-57.032,4 -52.781,4 cw(c-52.781,1.46) -50.241,1.46 D293.1@-50.241,-0.365
NetD294_1: D294.1 S294.2 S294_1.1 | length 33.7
  Component Side w0.254: D294.1@28.956,-0.365 28.956,1.96 cw(c31.496,1.96) 31.496,4.5 S294.2@35.6,4.5 35.6,4.049 35.6,2.5 ccw(c38.1,2.5) 38.1,0 49.998,0 ccw(c49.998,2.54) 52.538,2.54 S294_1.1@52.538,4
NetD295_1: D295.1 S295.2 S295_1.1 | length 38.5
  Component Side w0.254: D295.1@-47.241,-0.365 -47.241,1.96 cw(c-44.701,1.96) -44.701,4.5 S295.2@-40.6,4.5 -40.6,2.5 ccw(c-38.1,2.5) -38.1,0 -21.44,0 ccw(c-21.44,2.54) -18.9,2.54 S295_1.1@-18.9,4
NetD296_1: D296.1 S296.2 | length 22.4
  Component Side w0.254: D296.1@-129.789,37.735 -129.789,44.614 cw(c-129.273,44.614) S296.2@-129.273,45.13
  Component Side w2.54: S296.2@-129.273,45.13 S296.2@-126.892,45.13 S296.2@-124.51,45.13 S296.2@-123.862,42.6
  Bottom Layer w2.54: S296.2@-129.273,45.13 S296.2@-126.892,45.13 S296.2@-124.51,45.13 S296.2@-123.862,42.6
NetD297_1: D297.1 S297.1 | length 46.1
  Component Side w0.254: S297.1@-197.763,96.012 cw(c-197.763,93.511) -195.263,93.511 -195.263,59.325 ccw(c-192.723,59.325) -192.723,56.785 D297.1@-188.738,56.785
NetD298_1: D298.1 S298.1 | length 102.8
  Component Side w0.254: D298.1@114.3,-0.365 v1(114.3,3.056)
  Bottom Layer w0.254: v1(114.3,3.056) 114.3,64.734 cw(c116.84,64.734) 115.044,66.53 121.398,72.884 ccw(c119.602,74.68) 122.142,74.68 122.142,81.592 cw(c124.682,81.592) 122.886,83.388 130.106,90.609 ccw(c128.309,92.405) 130.849,92.405 S298.1@130.849,96.012
NetD302_2: D302.2 D303.4 | length 400.4
  Component Side w0.254: -178.963,100.762 cw(c-179.522,100.762) -179.522,100.203 -181.425,100.203 ccw(c-181.425,97.663) -183.965,97.663 -183.965,31.369 ccw(c-180.848,31.369) -183.637,29.976 ccw(c-180.848,31.369) -180.848,28.252 -108.736,28.252 ccw(c-108.736,31.369) -106.53,29.166 -105.939,29.758 -104.791,30.905 -104.58,31.117 cw(c-103.19,29.73) -103.479,31.672 cw(c-103.19,29.73) -103.191,31.693 132.195,31.693 ccw(c132.195,33.102) 133.604,33.102 133.604,35.99 ccw(c132.244,35.99) 132.244,37.35 131.337,37.35
NetD302_4: D302.4 R306.2 R308.1 | length 3.5
  Component Side w0.254: R306.2@-173.482,97.155 -172.121,97.155 ccw(c-172.121,97.206) R308.1@-172.085,97.17 ; -173.463,99.262 cw(c-173.463,99.154) -173.355,99.154 R306.2@-173.355,97.185
NetQ301_1: Q301.1 R307.1 | length 2.4
  Component Side w0.254: Q301.1@-157.283,87.945 -157.283,88.477 cw(c-156.098,88.477) R307.1@-156.098,89.662
NRST: C310.1 CON302.3 Q302.3 R303.2 U301.7 | length 26.4
  Component Side w0.254: Q302.3@-100.745,85.725 -100.27,85.725 cw(c-100.27,84.373) -99.481,85.471 cw(c-100.27,84.373) R303.2@-99.314,85.329 -99.041,85.602 -98.969,85.602 C310.1@-97.942,86.629 ; CON302.3@-99.441,88.773 -99.441,87.816 ccw(c-98.981,87.816) -98.981,87.356 -98.644,87.356 cw(c-98.644,86.629) C310.1@-97.917,86.629 cw(c-97.917,84.177) -96.398,86.102 cw(c-97.917,84.177) -96.183,85.911 -95.725,85.453 ccw(c-93.929,87.249) -93.929,84.709 v1(-91.821,84.709) ; U301.7@-83.73,85.451 v1@-82.037,83.758
  Bottom Layer w0.254: v1(-91.821,84.709) ccw(c-90.347,86.183) -90.347,84.098 -82.843,84.098 cw(c-82.844,83.021) -81.954,83.629 ccw(c-81.746,83.774) v1@-81.763,83.521 ; v1@-81.763,83.521 v1(-81.788,83.692) v1@-81.763,83.521
PA0: D250.2 D281.2 D284.2 D286.2 D288.2 D294.2 D295.2 D297.2 D298.2 U301.10 | length 550.7
  Component Side w0.254: D297.2@-188.738,53.515 D250.2@-185.737,53.515 -185.617,53.394 cw(c-187.413,51.598) -184.873,51.598 -184.873,31.369 ccw(c-180.848,31.369) -183.398,28.255 cw(c-183.56,28.059) -183.306,28.06 v1(-183.306,-2.986) ccw(c-182.657,-2.986) -182.657,-3.635 D288.2@-166.746,-3.635 -148.76,-3.635 ccw(c-148.76,-3.381) -148.506,-3.381 -148.506,-3.18 cw(c-148.179,-3.18) -148.179,-2.853 -146.958,-2.853 cw(c-146.958,-3.18) -146.631,-3.18 -146.631,-3.381 ccw(c-146.377,-3.381) -146.377,-3.635 D286.2@-119.375,-3.635 -96.436,-3.635 ccw(c-96.436,-3.381) -96.182,-3.381 -96.182,-3.18 cw(c-95.855,-3.18) -95.855,-2.853 -94.634,-2.853 cw(c-94.634,-3.18) -94.307,-3.18 -94.307,-3.381 ccw(c-94.053,-3.381) -94.053,-3.635 D284.2@-71.496,-3.635 -51.432,-3.635 ccw(c-51.432,-3.381) -51.178,-3.381 -51.178,-3.18 cw(c-50.851,-3.18) -50.851,-2.853 -49.631,-2.853 cw(c-49.631,-3.18) -49.304,-3.18 -49.304,-3.381 ccw(c-49.05,-3.381) -49.05,-3.635 D295.2@-47.241,-3.635 24.765,-3.635 ccw(c24.765,-3.381) 25.019,-3.381 25.019,-3.18 cw(c25.346,-3.18) 25.346,-2.853 26.566,-2.853 cw(c26.566,-3.18) 26.893,-3.18 26.893,-3.381 ccw(c27.147,-3.381) 27.147,-3.635 D294.2@28.956,-3.635 70.246,-3.635 ccw(c70.246,-3.381) 70.5,-3.381 70.5,-3.18 cw(c70.827,-3.18) 70.827,-2.853 72.047,-2.853 cw(c72.047,-3.18) 72.374,-3.18 72.374,-3.381 ccw(c72.628,-3.381) 72.628,-3.635 D281.2@95.25,-3.635 D298.2@114.3,-3.635 ; v1(-87.63,76.962) cw(c-87.012,76.344) -87.398,77.128 cw(c-87.012,76.344) -87.012,77.218 -85.619,77.218 ccw(c-85.619,80.063) -83.609,78.05 ccw(c-85.619,80.063) -83.606,78.053 -80.521,81.138 ccw(c-82.317,82.934) -79.777,82.934 -79.777,84.349 ccw(c-81.153,84.349) -81.153,85.725 -81.54,85.725 cw(c-81.54,86.551) -82.124,85.967 U301.10@-82.669,86.512
  Bottom Layer w0.254: v1(-183.306,-2.986) -183.306,16.51 cw(c-181.22,16.51) -182.382,18.242 cw(c-181.22,16.51) -181.22,18.596 -152.146,18.596 ccw(c-152.146,21.59) -149.152,21.59 -149.152,70.05 cw(c-147.066,70.05) -147.066,72.136 -90.678,72.136 ccw(c-90.678,74.676) -88.153,74.402 cw(c-87.901,74.373) -88.148,74.431 ccw(c-91.059,75.13) -88.065,75.13 -88.065,75.912 cw(c-86.58,75.912) v1(-87.63,76.962)